# KiCad board Clavier.kicad_pcb
title: Clavier super drip; rev: 0.0
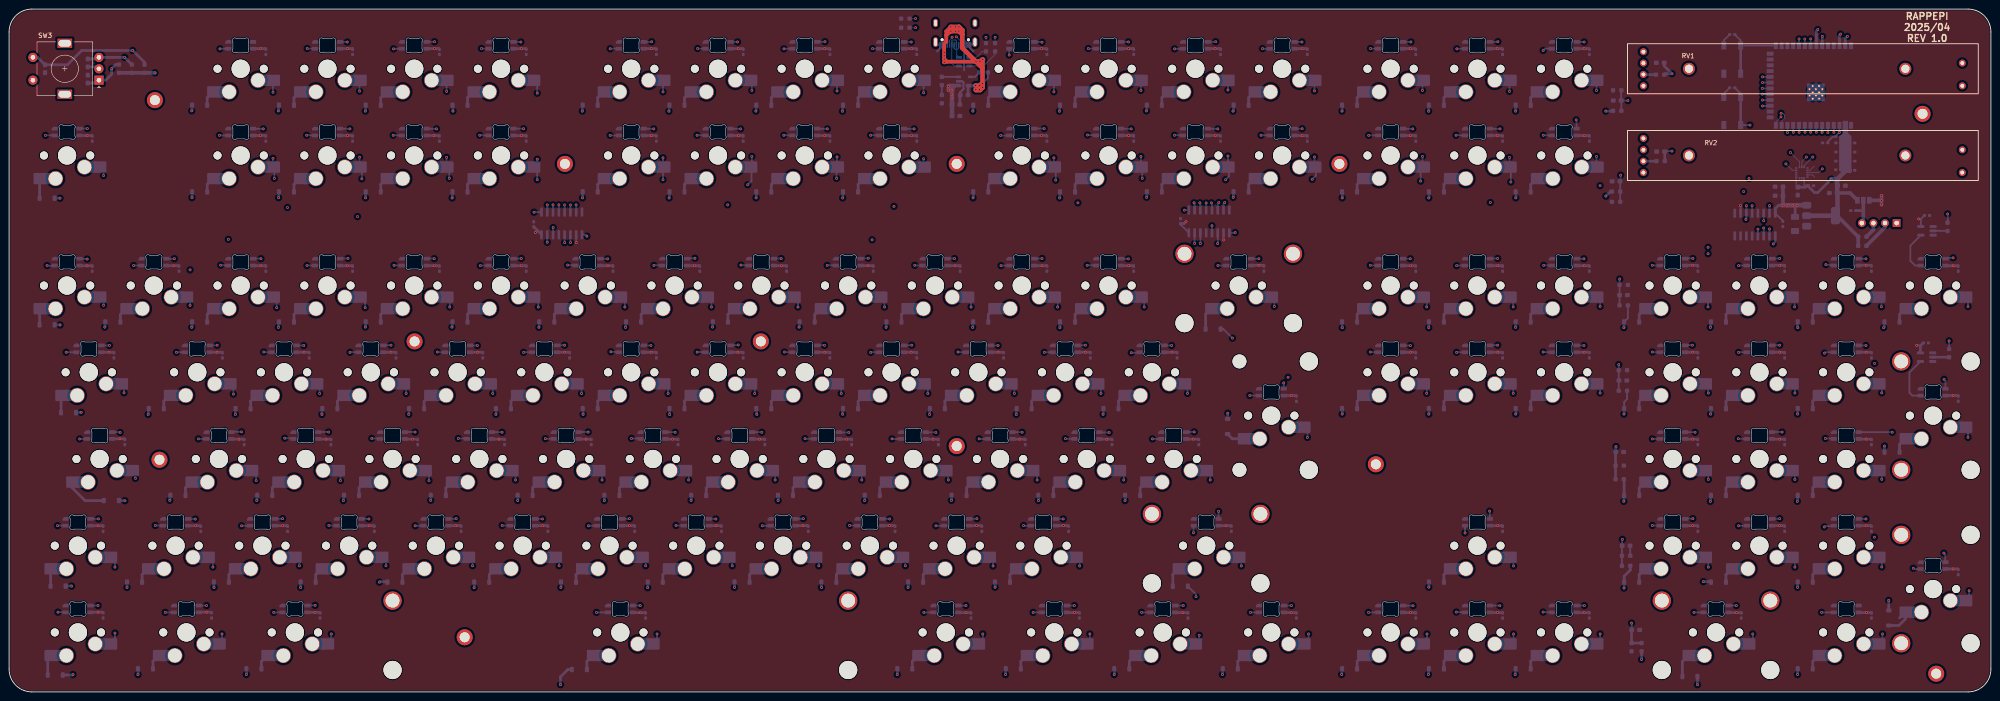
[diagram p0: board, top side]
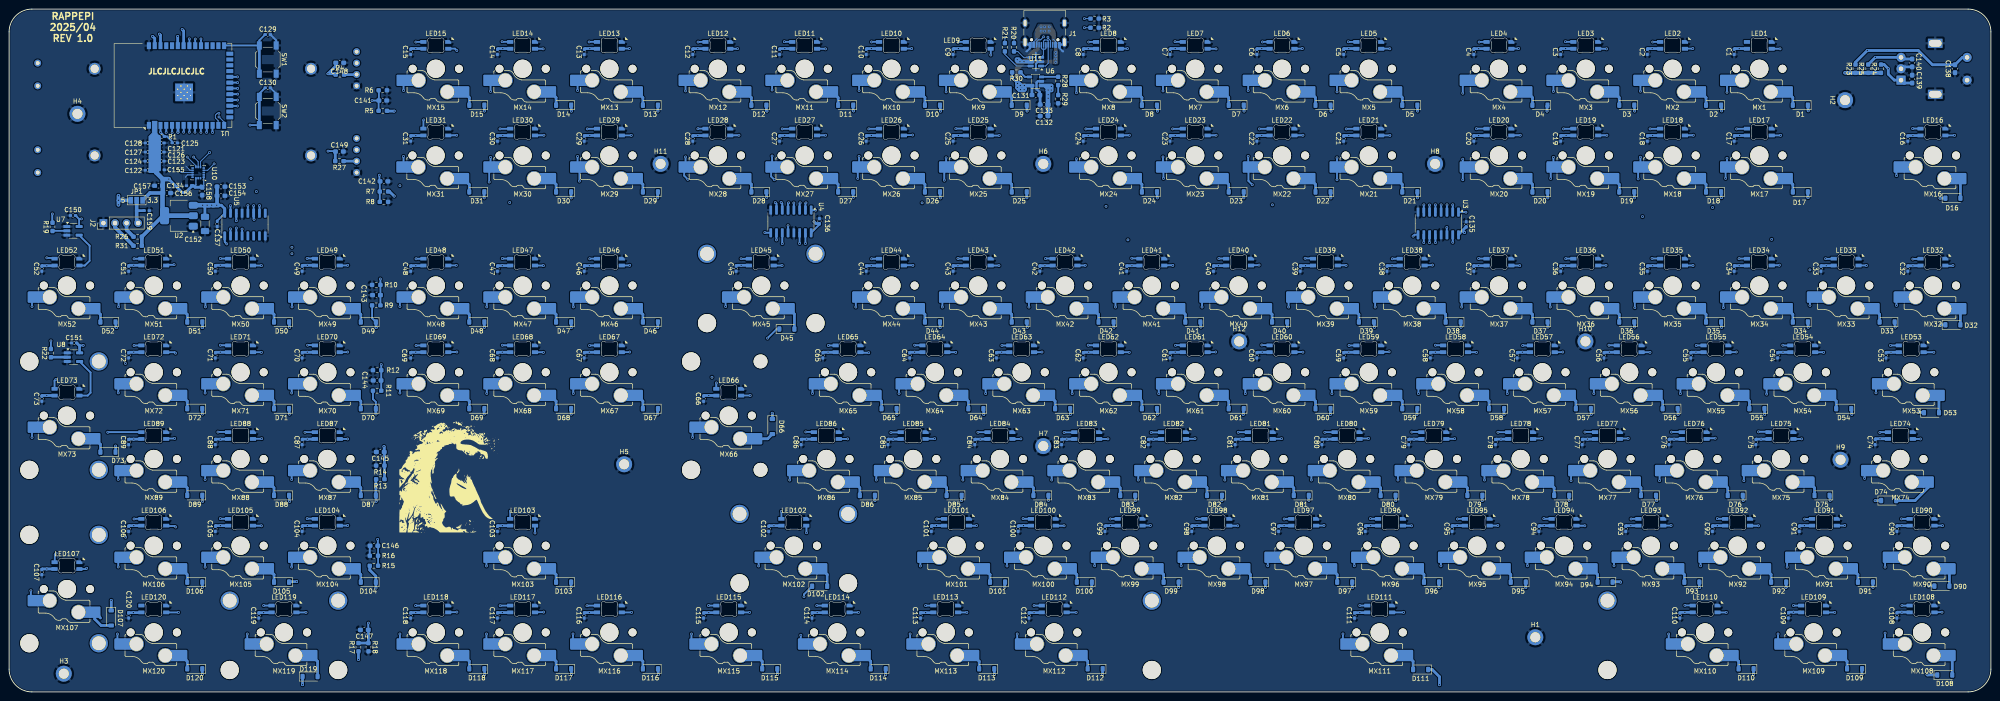
[diagram p1: board, bottom side, seen from below]

Outline 435 x 150 mm; copper layers: Top, In1.Cu, In2.Cu, Bottom. Coordinates in mm from the lower left corner of the outline.
Outline path: 0,145 arc(1.46,148.54) 5,150 430,150 arc(433.54,148.54) 435,145 435,5 arc(433.54,1.46) 430,0 5,0 arc(1.46,1.46) 0,5 0,145
Stack: Top 0.035mm / dielectric 0.1mm FR4 er 4.5 / In1.Cu 0.035mm / dielectric 1.24mm FR4 er 4.5 / In2.Cu 0.035mm / dielectric 0.1mm FR4 er 4.5 / Bottom 0.035mm

## Placement (name value [footprint] x y rotation side)
C1  100nF  [C_0402_1005Metric_Pad0.74x0.62mm_HandSolder]  56.35 140.61 90 bottom
C2  100nF  [C_0402_1005Metric_Pad0.74x0.62mm_HandSolder]  75.4 140.61 90 bottom
C3  100nF  [C_0402_1005Metric_Pad0.74x0.62mm_HandSolder]  94.45 140.61 90 bottom
C4  100nF  [C_0402_1005Metric_Pad0.74x0.62mm_HandSolder]  113.5 140.61 90 bottom
C5  100nF  [C_0402_1005Metric_Pad0.74x0.62mm_HandSolder]  142.08 140.61 90 bottom
C6  100nF  [C_0402_1005Metric_Pad0.74x0.62mm_HandSolder]  161.13 140.61 90 bottom
C7  100nF  [C_0402_1005Metric_Pad0.74x0.62mm_HandSolder]  180.18 140.61 90 bottom
C8  100nF  [C_0402_1005Metric_Pad0.74x0.62mm_HandSolder]  199.23 140.61 90 bottom
C9  100nF  [C_0402_1005Metric_Pad0.74x0.62mm_HandSolder]  227.8 140.61 90 bottom
C10  100nF  [C_0402_1005Metric_Pad0.74x0.62mm_HandSolder]  246.85 140.61 90 bottom
C11  100nF  [C_0402_1005Metric_Pad0.74x0.62mm_HandSolder]  265.9 140.61 90 bottom
C12  100nF  [C_0402_1005Metric_Pad0.74x0.62mm_HandSolder]  284.95 140.61 90 bottom
C13  100nF  [C_0402_1005Metric_Pad0.74x0.62mm_HandSolder]  308.76 140.61 90 bottom
C14  100nF  [C_0402_1005Metric_Pad0.74x0.62mm_HandSolder]  327.81 140.61 90 bottom
C15  100nF  [C_0402_1005Metric_Pad0.74x0.62mm_HandSolder]  346.86 140.61 90 bottom
C16  100nF  [C_0402_1005Metric_Pad0.74x0.62mm_HandSolder]  18.25 121.56 90 bottom
C17  100nF  [C_0402_1005Metric_Pad0.74x0.62mm_HandSolder]  56.35 121.56 90 bottom
C18  100nF  [C_0402_1005Metric_Pad0.74x0.62mm_HandSolder]  75.4 121.56 90 bottom
C19  100nF  [C_0402_1005Metric_Pad0.74x0.62mm_HandSolder]  94.45 121.56 90 bottom
C20  100nF  [C_0402_1005Metric_Pad0.74x0.62mm_HandSolder]  113.5 121.56 90 bottom
C21  100nF  [C_0402_1005Metric_Pad0.74x0.62mm_HandSolder]  142.08 121.56 90 bottom
C22  100nF  [C_0402_1005Metric_Pad0.74x0.62mm_HandSolder]  161.13 121.56 90 bottom
C23  100nF  [C_0402_1005Metric_Pad0.74x0.62mm_HandSolder]  180.18 121.56 90 bottom
C24  100nF  [C_0402_1005Metric_Pad0.74x0.62mm_HandSolder]  199.23 121.56 90 bottom
C25  100nF  [C_0402_1005Metric_Pad0.74x0.62mm_HandSolder]  227.8 121.56 90 bottom
C26  100nF  [C_0402_1005Metric_Pad0.74x0.62mm_HandSolder]  246.85 121.56 90 bottom
C27  100nF  [C_0402_1005Metric_Pad0.74x0.62mm_HandSolder]  265.9 121.56 90 bottom
C28  100nF  [C_0402_1005Metric_Pad0.74x0.62mm_HandSolder]  284.95 121.56 90 bottom
C29  100nF  [C_0402_1005Metric_Pad0.74x0.62mm_HandSolder]  308.76 121.56 90 bottom
C30  100nF  [C_0402_1005Metric_Pad0.74x0.62mm_HandSolder]  327.81 121.56 90 bottom
C31  100nF  [C_0402_1005Metric_Pad0.74x0.62mm_HandSolder]  346.86 121.56 90 bottom
C32  100nF  [C_0402_1005Metric_Pad0.74x0.62mm_HandSolder]  18.25 92.99 90 bottom
C33  100nF  [C_0402_1005Metric_Pad0.74x0.62mm_HandSolder]  37.3 92.99 90 bottom
C34  100nF  [C_0402_1005Metric_Pad0.74x0.62mm_HandSolder]  56.35 92.99 90 bottom
C35  100nF  [C_0402_1005Metric_Pad0.74x0.62mm_HandSolder]  75.4 92.99 90 bottom
C36  100nF  [C_0402_1005Metric_Pad0.74x0.62mm_HandSolder]  94.45 92.99 90 bottom
C37  100nF  [C_0402_1005Metric_Pad0.74x0.62mm_HandSolder]  113.5 92.99 90 bottom
C38  100nF  [C_0402_1005Metric_Pad0.74x0.62mm_HandSolder]  132.55 92.99 90 bottom
C39  100nF  [C_0402_1005Metric_Pad0.74x0.62mm_HandSolder]  151.6 92.99 90 bottom
C40  100nF  [C_0402_1005Metric_Pad0.74x0.62mm_HandSolder]  170.65 92.99 90 bottom
C41  100nF  [C_0402_1005Metric_Pad0.74x0.62mm_HandSolder]  189.7 92.99 90 bottom
C42  100nF  [C_0402_1005Metric_Pad0.74x0.62mm_HandSolder]  208.75 92.99 90 bottom
C43  100nF  [C_0402_1005Metric_Pad0.74x0.62mm_HandSolder]  227.8 92.99 90 bottom
C44  100nF  [C_0402_1005Metric_Pad0.74x0.62mm_HandSolder]  246.85 92.99 90 bottom
C45  100nF  [C_0402_1005Metric_Pad0.74x0.62mm_HandSolder]  275.43 92.99 90 bottom
C46  100nF  [C_0402_1005Metric_Pad0.74x0.62mm_HandSolder]  308.76 92.99 90 bottom
C47  100nF  [C_0402_1005Metric_Pad0.74x0.62mm_HandSolder]  327.81 92.99 90 bottom
C48  100nF  [C_0402_1005Metric_Pad0.74x0.62mm_HandSolder]  346.86 92.99 90 bottom
C49  100nF  [C_0402_1005Metric_Pad0.74x0.62mm_HandSolder]  370.68 92.99 90 bottom
C50  100nF  [C_0402_1005Metric_Pad0.74x0.62mm_HandSolder]  389.73 92.99 90 bottom
C51  100nF  [C_0402_1005Metric_Pad0.74x0.62mm_HandSolder]  408.78 92.99 90 bottom
C52  100nF  [C_0402_1005Metric_Pad0.74x0.62mm_HandSolder]  427.83 92.99 90 bottom
C53  100nF  [C_0402_1005Metric_Pad0.74x0.62mm_HandSolder]  23.01 73.94 90 bottom
C54  100nF  [C_0402_1005Metric_Pad0.74x0.62mm_HandSolder]  46.83 73.94 90 bottom
C55  100nF  [C_0402_1005Metric_Pad0.74x0.62mm_HandSolder]  65.88 73.94 90 bottom
C56  100nF  [C_0402_1005Metric_Pad0.74x0.62mm_HandSolder]  84.93 73.94 90 bottom
C57  100nF  [C_0402_1005Metric_Pad0.74x0.62mm_HandSolder]  103.98 73.94 90 bottom
C58  100nF  [C_0402_1005Metric_Pad0.74x0.62mm_HandSolder]  123.03 73.94 90 bottom
C59  100nF  [C_0402_1005Metric_Pad0.74x0.62mm_HandSolder]  142.08 73.94 90 bottom
C60  100nF  [C_0402_1005Metric_Pad0.74x0.62mm_HandSolder]  161.13 73.94 90 bottom
C61  100nF  [C_0402_1005Metric_Pad0.74x0.62mm_HandSolder]  180.18 73.94 90 bottom
C62  100nF  [C_0402_1005Metric_Pad0.74x0.62mm_HandSolder]  199.23 73.94 90 bottom
C63  100nF  [C_0402_1005Metric_Pad0.74x0.62mm_HandSolder]  218.28 73.94 90 bottom
C64  100nF  [C_0402_1005Metric_Pad0.74x0.62mm_HandSolder]  237.33 73.94 90 bottom
C65  100nF  [C_0402_1005Metric_Pad0.74x0.62mm_HandSolder]  256.38 73.94 90 bottom
C66  100nF  [C_0402_1005Metric_Pad0.74x0.62mm_HandSolder]  282.57 64.41 90 bottom
C67  100nF  [C_0402_1005Metric_Pad0.74x0.62mm_HandSolder]  308.76 73.94 90 bottom
C68  100nF  [C_0402_1005Metric_Pad0.74x0.62mm_HandSolder]  327.81 73.94 90 bottom
C69  100nF  [C_0402_1005Metric_Pad0.74x0.62mm_HandSolder]  346.86 73.94 90 bottom
C70  100nF  [C_0402_1005Metric_Pad0.74x0.62mm_HandSolder]  370.68 73.94 90 bottom
C71  100nF  [C_0402_1005Metric_Pad0.74x0.62mm_HandSolder]  389.73 73.94 90 bottom
C72  100nF  [C_0402_1005Metric_Pad0.74x0.62mm_HandSolder]  408.78 73.94 90 bottom
C73  100nF  [C_0402_1005Metric_Pad0.74x0.62mm_HandSolder]  427.83 64.41 90 bottom
C74  100nF  [C_0402_1005Metric_Pad0.74x0.62mm_HandSolder]  25.39 54.89 90 bottom
C75  100nF  [C_0402_1005Metric_Pad0.74x0.62mm_HandSolder]  51.59 54.89 90 bottom
C76  100nF  [C_0402_1005Metric_Pad0.74x0.62mm_HandSolder]  70.64 54.89 90 bottom
C77  100nF  [C_0402_1005Metric_Pad0.74x0.62mm_HandSolder]  89.69 54.89 90 bottom
C78  100nF  [C_0402_1005Metric_Pad0.74x0.62mm_HandSolder]  108.74 54.89 90 bottom
C79  100nF  [C_0402_1005Metric_Pad0.74x0.62mm_HandSolder]  127.79 54.89 90 bottom
C80  100nF  [C_0402_1005Metric_Pad0.74x0.62mm_HandSolder]  146.84 54.89 90 bottom
C81  100nF  [C_0402_1005Metric_Pad0.74x0.62mm_HandSolder]  165.89 54.89 90 bottom
C82  100nF  [C_0402_1005Metric_Pad0.74x0.62mm_HandSolder]  184.94 54.89 90 bottom
C83  100nF  [C_0402_1005Metric_Pad0.74x0.62mm_HandSolder]  203.99 54.89 90 bottom
C84  100nF  [C_0402_1005Metric_Pad0.74x0.62mm_HandSolder]  223.04 54.89 90 bottom
C85  100nF  [C_0402_1005Metric_Pad0.74x0.62mm_HandSolder]  242.09 54.89 90 bottom
C86  100nF  [C_0402_1005Metric_Pad0.74x0.62mm_HandSolder]  261.14 54.89 90 bottom
C87  100nF  [C_0402_1005Metric_Pad0.74x0.62mm_HandSolder]  370.68 54.89 90 bottom
C88  100nF  [C_0402_1005Metric_Pad0.74x0.62mm_HandSolder]  389.73 54.89 90 bottom
C89  100nF  [C_0402_1005Metric_Pad0.74x0.62mm_HandSolder]  408.78 54.89 90 bottom
C90  100nF  [C_0402_1005Metric_Pad0.74x0.62mm_HandSolder]  20.63 35.84 90 bottom
C91  100nF  [C_0402_1005Metric_Pad0.74x0.62mm_HandSolder]  42.06 35.84 90 bottom
C92  100nF  [C_0402_1005Metric_Pad0.74x0.62mm_HandSolder]  61.11 35.84 90 bottom
C93  100nF  [C_0402_1005Metric_Pad0.74x0.62mm_HandSolder]  80.16 35.84 90 bottom
C94  100nF  [C_0402_1005Metric_Pad0.74x0.62mm_HandSolder]  99.21 35.84 90 bottom
C95  100nF  [C_0402_1005Metric_Pad0.74x0.62mm_HandSolder]  118.26 35.84 90 bottom
C96  100nF  [C_0402_1005Metric_Pad0.74x0.62mm_HandSolder]  137.31 35.84 90 bottom
C97  100nF  [C_0402_1005Metric_Pad0.74x0.62mm_HandSolder]  156.36 35.84 90 bottom
C98  100nF  [C_0402_1005Metric_Pad0.74x0.62mm_HandSolder]  175.41 35.84 90 bottom
C99  100nF  [C_0402_1005Metric_Pad0.74x0.62mm_HandSolder]  194.46 35.84 90 bottom
C100  100nF  [C_0402_1005Metric_Pad0.74x0.62mm_HandSolder]  213.51 35.84 90 bottom
C101  100nF  [C_0402_1005Metric_Pad0.74x0.62mm_HandSolder]  232.56 35.84 90 bottom
C102  100nF  [C_0402_1005Metric_Pad0.74x0.62mm_HandSolder]  268.28 35.84 90 bottom
C103  100nF  [C_0402_1005Metric_Pad0.74x0.62mm_HandSolder]  327.81 35.84 90 bottom
C104  100nF  [C_0402_1005Metric_Pad0.74x0.62mm_HandSolder]  370.68 35.84 90 bottom
C105  100nF  [C_0402_1005Metric_Pad0.74x0.62mm_HandSolder]  389.73 35.84 90 bottom
C106  100nF  [C_0402_1005Metric_Pad0.74x0.62mm_HandSolder]  408.78 35.84 90 bottom
C107  100nF  [C_0402_1005Metric_Pad0.74x0.62mm_HandSolder]  427.83 26.31 90 bottom
C108  100nF  [C_0402_1005Metric_Pad0.74x0.62mm_HandSolder]  20.63 16.79 90 bottom
C109  100nF  [C_0402_1005Metric_Pad0.74x0.62mm_HandSolder]  44.44 16.79 90 bottom
C110  100nF  [C_0402_1005Metric_Pad0.74x0.62mm_HandSolder]  68.26 16.79 90 bottom
C111  100nF  [C_0402_1005Metric_Pad0.74x0.62mm_HandSolder]  139.69 16.79 90 bottom
C112  100nF  [C_0402_1005Metric_Pad0.74x0.62mm_HandSolder]  211.13 16.79 90 bottom
C113  100nF  [C_0402_1005Metric_Pad0.74x0.62mm_HandSolder]  234.94 16.79 90 bottom
C114  100nF  [C_0402_1005Metric_Pad0.74x0.62mm_HandSolder]  258.76 16.79 90 bottom
C115  100nF  [C_0402_1005Metric_Pad0.74x0.62mm_HandSolder]  282.57 16.79 90 bottom
C116  100nF  [C_0402_1005Metric_Pad0.74x0.62mm_HandSolder]  308.76 16.79 90 bottom
C117  100nF  [C_0402_1005Metric_Pad0.74x0.62mm_HandSolder]  327.81 16.79 90 bottom
C118  100nF  [C_0402_1005Metric_Pad0.74x0.62mm_HandSolder]  346.86 16.79 90 bottom
C119  100nF  [C_0402_1005Metric_Pad0.74x0.62mm_HandSolder]  380.2 16.79 90 bottom
C120  100nF  [C_0402_1005Metric_Pad0.74x0.62mm_HandSolder]  408.78 16.79 90 bottom
C121  1uF  [C_0402_1005Metric_Pad0.74x0.62mm_HandSolder]  398.63 120.61 180 bottom
C122  10uF  [C_0402_1005Metric_Pad0.74x0.62mm_HandSolder]  404.55 114.6 0 bottom
C123  10uF  [C_0402_1005Metric_Pad0.74x0.62mm_HandSolder]  401.55 116.6 180 bottom
C124  1uF  [C_0402_1005Metric_Pad0.74x0.62mm_HandSolder]  404.57 116.6 0 bottom
C125  100nF  [C_0402_1005Metric_Pad0.74x0.62mm_HandSolder]  401.55 120.6 180 bottom
C126  100nF  [C_0402_1005Metric_Pad0.74x0.62mm_HandSolder]  401.55 118.6 180 bottom
C127  100nF  [C_0402_1005Metric_Pad0.74x0.62mm_HandSolder]  404.55 118.6 0 bottom
C128  100nF  [C_0402_1005Metric_Pad0.74x0.62mm_HandSolder]  404.55 120.6 0 bottom
C129  100nF  [C_0402_1005Metric_Pad0.74x0.62mm_HandSolder]  378.23 144.41 180 bottom
C130  100nF  [C_0402_1005Metric_Pad0.74x0.62mm_HandSolder]  378.23 132.71 180 bottom
C131  10uF  [C_0603_1608Metric_Pad1.08x0.95mm_HandSolder]  209.63 131.11 180 bottom
C132  10uF  [C_0603_1608Metric_Pad1.08x0.95mm_HandSolder]  207.83 126.51 0 bottom
C133  10uF  [C_0603_1608Metric_Pad1.08x0.95mm_HandSolder]  207.83 129.02 0 bottom
C134  100nF  [C_0402_1005Metric_Pad0.74x0.62mm_HandSolder]  395.5 111.2 0 bottom
C135  100nF  [C_0402_1005Metric_Pad0.74x0.62mm_HandSolder]  115.16 102.71 270 bottom
C136  100nF  [C_0402_1005Metric_Pad0.74x0.62mm_HandSolder]  257.13 103.41 270 bottom
C137  100nF  [C_0402_1005Metric_Pad0.74x0.62mm_HandSolder]  389.33 102.81 90 bottom
C138  1uF  [C_0603_1608Metric_Pad1.08x0.95mm_HandSolder]  7.87 136.91 270 bottom
C139  1uF  [C_0603_1608Metric_Pad1.08x0.95mm_HandSolder]  17.27 134.62 90 bottom
C140  1uF  [C_0603_1608Metric_Pad1.08x0.95mm_HandSolder]  17.27 138.18 270 bottom
C141  100nF  [C_0603_1608Metric_Pad1.08x0.95mm_HandSolder]  352.98 129.91 180 bottom
C142  100nF  [C_0603_1608Metric_Pad1.08x0.95mm_HandSolder]  352.73 112.16 180 bottom
C143  100nF  [C_0603_1608Metric_Pad1.08x0.95mm_HandSolder]  354.36 87.16 0 bottom
C144  100nF  [C_0603_1608Metric_Pad1.08x0.95mm_HandSolder]  354.23 68.41 0 bottom
C145  100nF  [C_0603_1608Metric_Pad1.08x0.95mm_HandSolder]  353.53 52.71 0 bottom
C146  100nF  [C_0603_1608Metric_Pad1.08x0.95mm_HandSolder]  354.93 32.11 0 bottom
C147  100nF  [C_0603_1608Metric_Pad1.08x0.95mm_HandSolder]  357.03 13.63 0 bottom
C148  1uF  [C_0603_1608Metric_Pad1.08x0.95mm_HandSolder]  362.43 138.21 180 bottom
C149  1uF  [C_0603_1608Metric_Pad1.08x0.95mm_HandSolder]  362.5 118.7 180 bottom
C150  100nF  [C_0402_1005Metric_Pad0.74x0.62mm_HandSolder]  420.98 104.66 180 bottom
C151  100nF  [C_0402_1005Metric_Pad0.74x0.62mm_HandSolder]  420.73 76.66 180 bottom
C152  22uF  [C_1206_3216Metric_Pad1.33x1.80mm_HandSolder]  392 102.8 270 bottom
C153  10uF  [C_0603_1608Metric_Pad1.08x0.95mm_HandSolder]  388.5 111 180 bottom
C154  10uF  [C_0603_1608Metric_Pad1.08x0.95mm_HandSolder]  388.5 109 180 bottom
C155  100nF  [C_0402_1005Metric_Pad0.74x0.62mm_HandSolder]  401.5 114.7 180 bottom
C156  10uF  [C_0603_1608Metric_Pad1.08x0.95mm_HandSolder]  400.4 109.6 180 bottom
C157  10uF  [C_0603_1608Metric_Pad1.08x0.95mm_HandSolder]  402.2 111.2 0 bottom
C158  10uF  [C_0603_1608Metric_Pad1.08x0.95mm_HandSolder]  392.6 110 270 bottom
C159  100nF  [C_0402_1005Metric_Pad0.74x0.62mm_HandSolder]  404.8 105.73 180 bottom
D1  1N4148W  [D_SOD-123]  41.83 128.89 0 bottom
D2  1N4148W  [D_SOD-123]  60.88 128.89 0 bottom
D3  1N4148W  [D_SOD-123]  79.93 128.89 0 bottom
D4  1N4148W  [D_SOD-123]  98.98 128.89 0 bottom
D5  1N4148W  [D_SOD-123]  127.55 128.89 0 bottom
D6  1N4148W  [D_SOD-123]  146.6 128.89 0 bottom
D7  1N4148W  [D_SOD-123]  165.65 128.89 0 bottom
D8  1N4148W  [D_SOD-123]  184.7 128.89 0 bottom
D9  1N4148W  [D_SOD-123]  213.28 128.89 0 bottom
D10  1N4148W  [D_SOD-123]  232.33 128.89 0 bottom
D11  1N4148W  [D_SOD-123]  251.38 128.89 0 bottom
D12  1N4148W  [D_SOD-123]  270.43 128.89 0 bottom
D13  1N4148W  [D_SOD-123]  294.24 128.89 0 bottom
D14  1N4148W  [D_SOD-123]  313.29 128.89 0 bottom
D15  1N4148W  [D_SOD-123]  332.34 128.89 0 bottom
D16  1N4148W  [D_SOD-123]  8.34 108.46 180 bottom
D17  1N4148W  [D_SOD-123]  41.83 109.84 0 bottom
D18  1N4148W  [D_SOD-123]  60.88 109.84 0 bottom
D19  1N4148W  [D_SOD-123]  79.93 109.84 0 bottom
D20  1N4148W  [D_SOD-123]  98.98 109.84 0 bottom
D21  1N4148W  [D_SOD-123]  127.55 109.84 0 bottom
D22  1N4148W  [D_SOD-123]  146.6 109.84 0 bottom
D23  1N4148W  [D_SOD-123]  165.65 109.84 0 bottom
D24  1N4148W  [D_SOD-123]  184.7 109.84 0 bottom
D25  1N4148W  [D_SOD-123]  213.28 109.84 0 bottom
D26  1N4148W  [D_SOD-123]  232.33 109.84 0 bottom
D27  1N4148W  [D_SOD-123]  251.38 109.84 0 bottom
D28  1N4148W  [D_SOD-123]  270.43 109.84 0 bottom
D29  1N4148W  [D_SOD-123]  294.24 109.84 0 bottom
D30  1N4148W  [D_SOD-123]  313.29 109.84 0 bottom
D31  1N4148W  [D_SOD-123]  332.34 109.84 0 bottom
D32  1N4148W  [D_SOD-123]  8.34 80.65 180 bottom
D33  1N4148W  [D_SOD-123]  22.78 81.27 0 bottom
D34  1N4148W  [D_SOD-123]  41.83 81.27 0 bottom
D35  1N4148W  [D_SOD-123]  60.88 81.27 0 bottom
D36  1N4148W  [D_SOD-123]  79.93 81.27 0 bottom
D37  1N4148W  [D_SOD-123]  98.98 81.27 0 bottom
D38  1N4148W  [D_SOD-123]  118.03 81.27 0 bottom
D39  1N4148W  [D_SOD-123]  137.08 81.27 0 bottom
D40  1N4148W  [D_SOD-123]  156.13 81.27 0 bottom
D41  1N4148W  [D_SOD-123]  175.18 81.27 0 bottom
D42  1N4148W  [D_SOD-123]  194.23 81.27 0 bottom
D43  1N4148W  [D_SOD-123]  213.28 81.27 0 bottom
D44  1N4148W  [D_SOD-123]  232.33 81.27 0 bottom
D45  1N4148W  [D_SOD-123]  264.28 79.71 180 bottom
D46  1N4148W  [D_SOD-123]  294.24 81.27 0 bottom
D47  1N4148W  [D_SOD-123]  313.29 81.27 0 bottom
D48  1N4148W  [D_SOD-123]  332.34 81.27 0 bottom
D49  1N4148W  [D_SOD-123]  356.15 81.27 0 bottom
D50  1N4148W  [D_SOD-123]  375.2 81.27 0 bottom
D51  1N4148W  [D_SOD-123]  394.25 81.27 0 bottom
D52  1N4148W  [D_SOD-123]  413.3 81.27 0 bottom
D53  1N4148W  [D_SOD-123]  13.04 61.34 180 bottom
D54  1N4148W  [D_SOD-123]  32.3 62.22 0 bottom
D55  1N4148W  [D_SOD-123]  51.35 62.22 0 bottom
D56  1N4148W  [D_SOD-123]  70.4 62.22 0 bottom
D57  1N4148W  [D_SOD-123]  89.45 62.22 0 bottom
D58  1N4148W  [D_SOD-123]  108.5 62.22 0 bottom
D59  1N4148W  [D_SOD-123]  127.55 62.22 0 bottom
D60  1N4148W  [D_SOD-123]  146.6 62.22 0 bottom
D61  1N4148W  [D_SOD-123]  165.65 62.22 0 bottom
D62  1N4148W  [D_SOD-123]  184.7 62.22 0 bottom
D63  1N4148W  [D_SOD-123]  203.75 62.22 0 bottom
D64  1N4148W  [D_SOD-123]  222.8 62.22 0 bottom
D65  1N4148W  [D_SOD-123]  241.85 62.22 0 bottom
D66  1N4148W  [D_SOD-123]  267.46 58.29 270 bottom
D67  1N4148W  [D_SOD-123]  294.24 62.22 0 bottom
D68  1N4148W  [D_SOD-123]  313.29 62.22 0 bottom
D69  1N4148W  [D_SOD-123]  332.34 62.22 0 bottom
D70  1N4148W  [D_SOD-123]  356.15 62.22 0 bottom
D71  1N4148W  [D_SOD-123]  375.2 62.22 0 bottom
D72  1N4148W  [D_SOD-123]  394.25 62.22 0 bottom
D73  1N4148W  [D_SOD-123]  413.3 52.69 0 bottom
D74  1N4148W  [D_SOD-123]  22.43 42.04 180 bottom
D75  1N4148W  [D_SOD-123]  37.06 43.17 0 bottom
D76  1N4148W  [D_SOD-123]  56.11 43.17 0 bottom
D77  1N4148W  [D_SOD-123]  75.16 43.17 0 bottom
D78  1N4148W  [D_SOD-123]  94.21 43.17 0 bottom
D79  1N4148W  [D_SOD-123]  113.26 43.17 0 bottom
D80  1N4148W  [D_SOD-123]  132.31 43.17 0 bottom
D81  1N4148W  [D_SOD-123]  151.36 43.17 0 bottom
D82  1N4148W  [D_SOD-123]  170.41 43.17 0 bottom
D83  1N4148W  [D_SOD-123]  189.46 43.17 0 bottom
D84  1N4148W  [D_SOD-123]  208.51 43.17 0 bottom
D85  1N4148W  [D_SOD-123]  227.56 43.17 0 bottom
D86  1N4148W  [D_SOD-123]  246.61 43.17 0 bottom
D87  1N4148W  [D_SOD-123]  356.15 43.17 0 bottom
D88  1N4148W  [D_SOD-123]  375.2 43.17 0 bottom
D89  1N4148W  [D_SOD-123]  394.25 43.17 0 bottom
D90  1N4148W  [D_SOD-123]  10.75 23.24 180 bottom
D91  1N4148W  [D_SOD-123]  27.54 24.12 0 bottom
D92  1N4148W  [D_SOD-123]  46.59 24.12 0 bottom
D93  1N4148W  [D_SOD-123]  65.64 24.12 0 bottom
D94  1N4148W  [D_SOD-123]  84.69 24.12 0 bottom
D95  1N4148W  [D_SOD-123]  103.74 24.12 0 bottom
D96  1N4148W  [D_SOD-123]  122.79 24.12 0 bottom
D97  1N4148W  [D_SOD-123]  141.84 24.12 0 bottom
D98  1N4148W  [D_SOD-123]  160.89 24.12 0 bottom
D99  1N4148W  [D_SOD-123]  179.94 24.12 0 bottom
D100  1N4148W  [D_SOD-123]  198.99 24.12 0 bottom
D101  1N4148W  [D_SOD-123]  218.04 24.12 0 bottom
D102  1N4148W  [D_SOD-123]  257.08 23.21 180 bottom
D103  1N4148W  [D_SOD-123]  313.29 24.12 0 bottom
D104  1N4148W  [D_SOD-123]  356.15 24.12 0 bottom
D105  1N4148W  [D_SOD-123]  375.2 24.12 0 bottom
D106  1N4148W  [D_SOD-123]  394.25 24.12 0 bottom
D107  1N4148W  [D_SOD-123]  412.6 16.23 270 bottom
D108  1N4148W  [D_SOD-123]  10.13 3.71 180 bottom
D109  1N4148W  [D_SOD-123]  29.92 5.07 0 bottom
D110  1N4148W  [D_SOD-123]  53.73 5.07 0 bottom
D111  1N4148W  [D_SOD-123]  125.17 4.91 0 bottom
D112  1N4148W  [D_SOD-123]  196.61 5.07 0 bottom
D113  1N4148W  [D_SOD-123]  220.42 5.07 0 bottom
D114  1N4148W  [D_SOD-123]  244.23 5.07 0 bottom
D115  1N4148W  [D_SOD-123]  268.04 5.07 0 bottom
D116  1N4148W  [D_SOD-123]  294.24 5.07 0 bottom
D117  1N4148W  [D_SOD-123]  313.29 5.07 0 bottom
D118  1N4148W  [D_SOD-123]  332.34 5.07 0 bottom
D119  1N4148W  [D_SOD-123]  368.94 3.38 180 bottom
D120  1N4148W  [D_SOD-123]  394.25 5.07 0 bottom
G***  -  [LOGO]  336.84 47.53 180 bottom
H1  MountingHole_Pad_M2  [MountingHole_2.2mm_M2_ISO7380_Pad]  100 12 180 bottom
H2  MountingHole_Pad_M2  [MountingHole_2.2mm_M2_ISO7380_Pad]  32 130 90 bottom
H3  MountingHole_Pad_M2  [MountingHole_2.2mm_M2_ISO7380_Pad]  423 4 180 bottom
H4  MountingHole_Pad_M2  [MountingHole_2.2mm_M2_ISO7380_Pad]  420 127 180 bottom
H5  MountingHole_Pad_M2  [MountingHole_2.2mm_M2_ISO7380_Pad]  300 50 180 bottom
H6  MountingHole_Pad_M2  [MountingHole_2.2mm_M2_ISO7380_Pad]  208 116 180 bottom
H7  MountingHole_Pad_M2  [MountingHole_2.2mm_M2_ISO7380_Pad]  208 54 180 bottom
H8  MountingHole_Pad_M2  [MountingHole_2.2mm_M2_ISO7380_Pad]  122 116 180 bottom
H9  MountingHole_Pad_M2  [MountingHole_2.2mm_M2_ISO7380_Pad]  33 51 180 bottom
H10  MountingHole_Pad_M2  [MountingHole_2.2mm_M2_ISO7380_Pad]  89 77 180 bottom
H11  MountingHole_Pad_M2  [MountingHole_2.2mm_M2_ISO7380_Pad]  292 116 180 bottom
H12  MountingHole_Pad_M2  [MountingHole_2.2mm_M2_ISO7380_Pad]  165 77 180 bottom
J1  USB_C_Receptacle_USB2.0_16P  [USB_C_Receptacle_G-Switch_GT-USB-7010ASV]  207.68 145.87 0 bottom
J2  Conn_01x04_Pin  [PinHeader_1x04_P2.54mm_Vertical]  414.3 103 90 bottom
JP1  SolderJumper_3_Open  [SolderJumper-3_P1.3mm_Open_Pad1.0x1.5mm_NumberLabels]  407 108 0 bottom
LED1  MX_SK6812MINI-E  [LED_MX_6028R]  50.83 142.04 0 bottom
LED2  MX_SK6812MINI-E  [LED_MX_6028R]  69.88 142.04 0 bottom
LED3  MX_SK6812MINI-E  [LED_MX_6028R]  88.93 142.04 0 bottom
LED4  MX_SK6812MINI-E  [LED_MX_6028R]  107.98 142.04 0 bottom
LED5  MX_SK6812MINI-E  [LED_MX_6028R]  136.55 142.04 0 bottom
LED6  MX_SK6812MINI-E  [LED_MX_6028R]  155.6 142.04 0 bottom
LED7  MX_SK6812MINI-E  [LED_MX_6028R]  174.65 142.04 0 bottom
LED8  MX_SK6812MINI-E  [LED_MX_6028R]  193.7 142.04 0 bottom
LED9  MX_SK6812MINI-E  [LED_MX_6028R]  222.28 142.04 0 bottom
LED10  MX_SK6812MINI-E  [LED_MX_6028R]  241.33 142.04 0 bottom
LED11  MX_SK6812MINI-E  [LED_MX_6028R]  260.38 142.04 0 bottom
LED12  MX_SK6812MINI-E  [LED_MX_6028R]  279.43 142.04 0 bottom
LED13  MX_SK6812MINI-E  [LED_MX_6028R]  303.24 142.04 0 bottom
LED14  MX_SK6812MINI-E  [LED_MX_6028R]  322.29 142.04 0 bottom
LED15  MX_SK6812MINI-E  [LED_MX_6028R]  341.34 142.04 0 bottom
LED16  MX_SK6812MINI-E  [LED_MX_6028R]  12.73 122.99 0 bottom
LED17  MX_SK6812MINI-E  [LED_MX_6028R]  50.83 122.99 0 bottom
LED18  MX_SK6812MINI-E  [LED_MX_6028R]  69.88 122.99 0 bottom
LED19  MX_SK6812MINI-E  [LED_MX_6028R]  88.93 122.99 0 bottom
LED20  MX_SK6812MINI-E  [LED_MX_6028R]  107.98 122.99 0 bottom
LED21  MX_SK6812MINI-E  [LED_MX_6028R]  136.55 122.99 0 bottom